# Altium PCB DM2097_R0M0E0.PcbDoc (part 7 of 7)
Units mm, origin at the board's own origin, x right, y up, seen from the top; angles counter-clockwise.
Board outline 115 x 46 mm, 6 copper layers (Top Copper, GND 1, PWR, Signal Layer 1, GND 2, Bottom Copper), stack 1.599 mm thick; 406 components, 356 nets, 1579 pads, 920 vias.
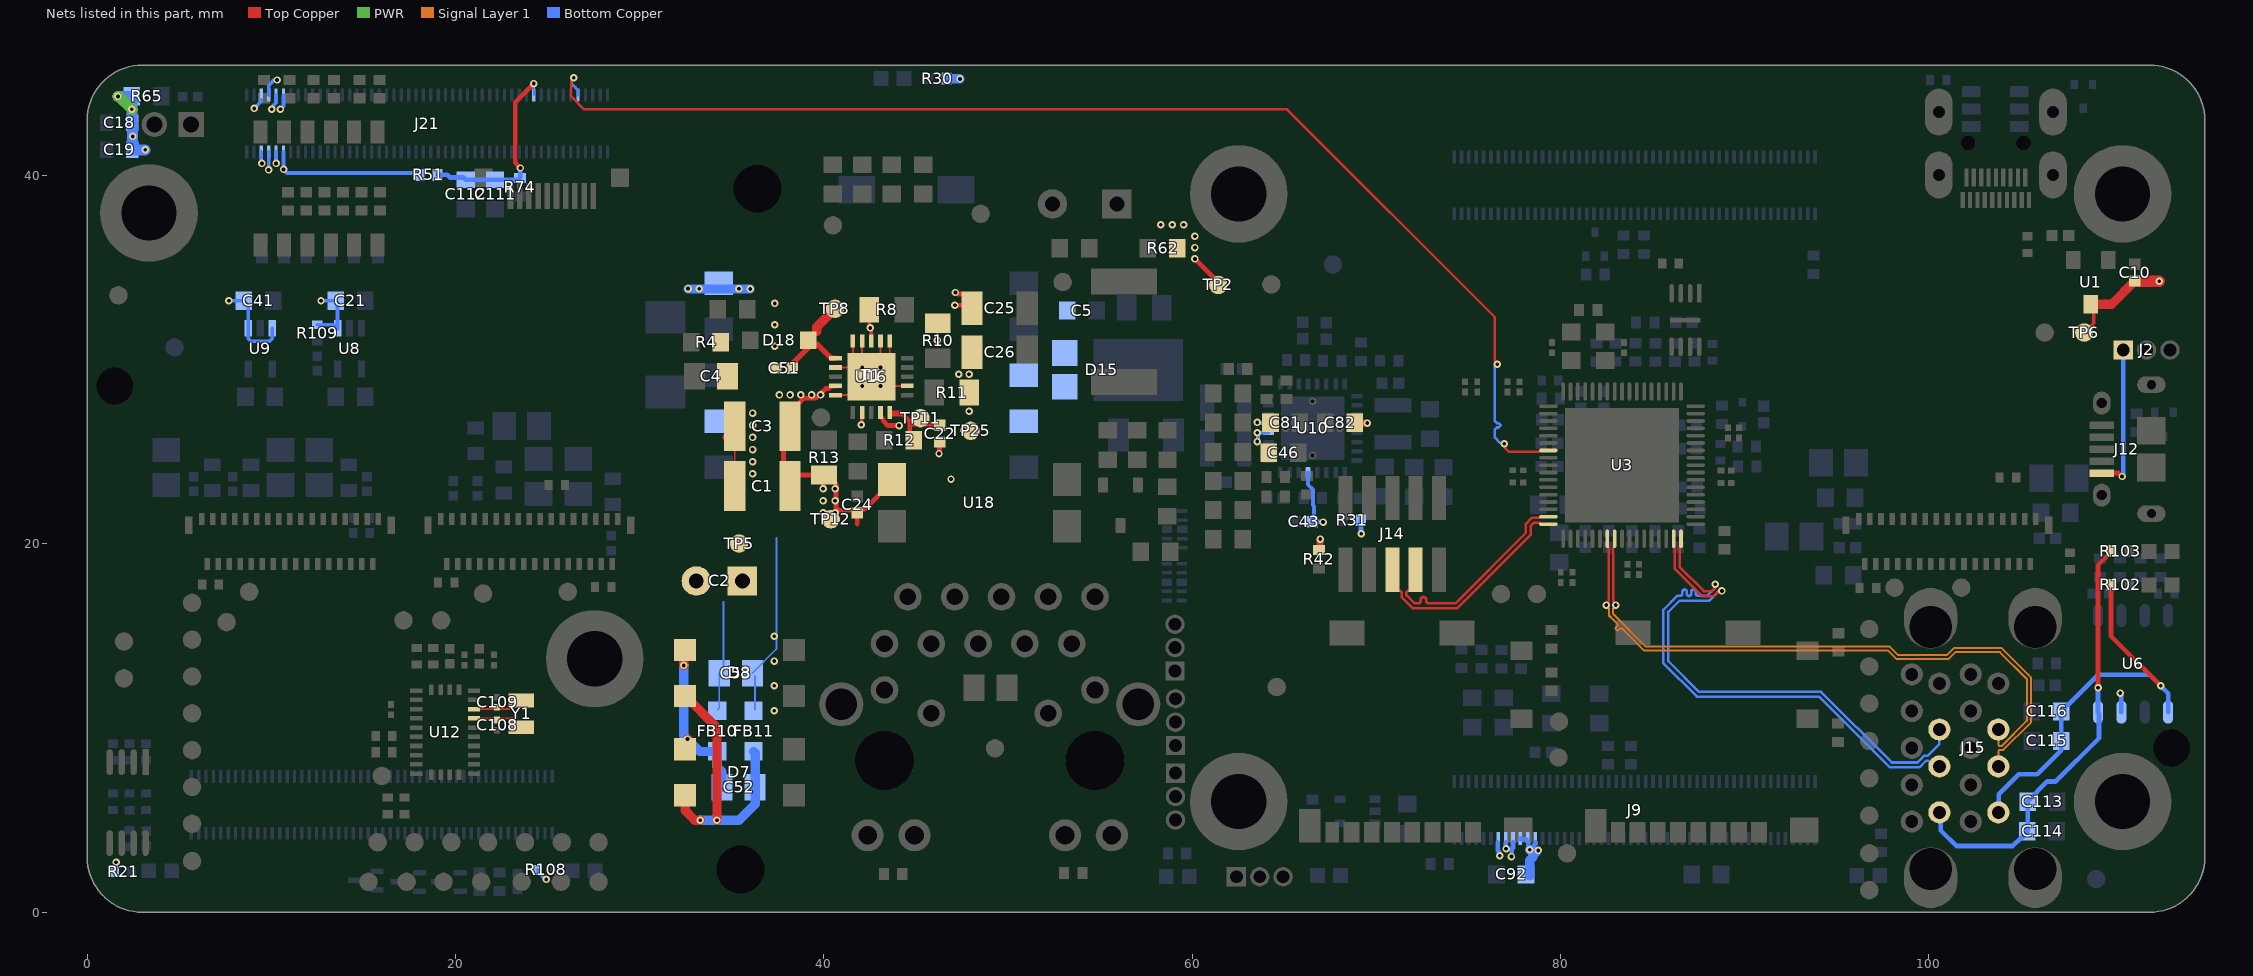
[diagram p11: the nets of this part, all layers, seen from the top]

## Via types
v1: diameter 0.406, hole 0.203, Top Copper to Bottom Copper, tented both sides, 871 vias
v2: diameter 0.5, hole 0.2, Top Copper to Bottom Copper, 25 vias
v3: diameter 0.508, hole 0.254, Top Copper to Bottom Copper, 24 vias

## Nets (pads, with @x,y where several pads share a name; then routed paths per layer and width w, separated by ;. In a path a pad name is that pad's centre, name@x,y a point inside that pad or via, vN(x,y) a via of type N, cw(c..) or ccw(c..) an arc to the next point about the centre after c; other vN are vias at no path point) (continued)
USBD1_P: J21.92 U3.58 | length 67.2
  Top Copper w0.139: 26.295,45.124 26.295,44.293 26.988,43.6 65.156,43.6 76.446,32.31 76.446,29.957 76.57,29.832 v1(76.57,29.76) ; 77.001,25.212 77.208,25.006 78.863,25.006 78.934,25.076 U3.58@79.351,25.076
  Bottom Copper w0.139: v1(26.419,45.321) 26.419,45.249 26.295,45.124 26.295,44.981 26.376,44.9 26.41,44.9 26.521,44.789 26.521,44.767 26.66,44.628 J21.92@26.66,44.368 ; v1(76.57,29.76) 76.446,29.635 76.446,26.975 76.446,26.673 76.555,26.564 76.642,26.564 76.751,26.455 76.751,26.43 76.642,26.321 76.555,26.321 76.446,26.212 76.446,25.9 76.446,25.768 76.722,25.491 76.899,25.491 v1(76.95,25.44)
USBD2_N: J14.5 U3.68 | length 12.2
  Top Copper w0.139: J14.5@70.875,18.592 70.875,17.772 71.186,17.462 71.296,17.462 71.377,17.38 71.377,17.11 71.978,16.509 74.405,16.509 78.391,20.495 78.391,20.982 78.551,21.143 78.867,21.143 78.934,21.076 U3.68@79.351,21.076
USBD2_P: J14.7 U3.67 | length 12.2
  Top Copper w0.139: J14.7@72.145,18.592 72.145,17.772 71.835,17.462 71.724,17.462 71.643,17.38 71.643,17.22 72.005,16.859 72.088,16.775 72.276,16.775 ccw(c72.276,16.921) 72.422,16.921 72.422,16.974 cw(c72.568,16.974) 72.714,16.974 72.714,16.921 ccw(c72.86,16.921) 72.86,16.775 73.221,16.775 74.295,16.775 78.125,20.605 78.125,21.092 78.441,21.409 78.867,21.409 78.934,21.476 U3.67@79.351,21.476
USBD3_N: J15.2 U3.8 | length 34.3
  Top Copper w0.139: U3.8@82.951,20.276 82.951,19.86 82.883,19.792 82.883,16.872 83.005,16.751 v1(83.005,16.678)
  Signal Layer 1 w0.11: v1(83.005,16.678) 83.005,16.613 82.858,16.466 82.858,16.203 84.639,14.422 97.886,14.422 98.333,13.975 101.002,13.975 101.367,14.341 103.96,14.341 105.55,12.751 105.55,10.3 104.062,8.812 103.849,8.812 103.785,8.748 J15.2@103.785,7.919
USBD3_P: J15.3 U3.7 | length 34.3
  Top Copper w0.139: v1(82.497,16.678) 82.497,16.751 82.618,16.872 82.618,19.792 82.551,19.86 U3.7@82.551,20.276
  Signal Layer 1 w0.11: v1(82.497,16.678) 82.497,16.613 82.644,16.466 82.644,16.115 82.865,15.893 82.904,15.855 83.074,15.685 cw(c82.996,15.607) 83.074,15.529 83.035,15.491 ccw(c83.11,15.416) 83.035,15.341 ccw(c83.11,15.416) 83.185,15.341 83.224,15.379 cw(c83.301,15.301) 83.379,15.379 83.418,15.34 84.55,14.208 97.797,14.208 98.244,13.761 101.09,13.761 101.456,14.127 103.872,14.127 105.336,12.663 105.336,10.388 103.974,9.026 103.849,9.026 103.785,9.091 J15.3@103.785,9.919
USBD4_N: J15.11 U3.17 | length 29.3
  Top Copper w0.139: U3.17@86.551,20.276 86.551,19.858 86.481,19.789 86.481,18.751 87.8,17.433 88.209,17.433 88.363,17.586 88.363,17.758 v1(88.414,17.809)
  Bottom Copper w0.139: v1(88.414,17.809) 88.363,17.758 88.363,17.586 87.951,17.174 87.793,17.174 87.489,17.174 cw(c87.489,17.313) 87.35,17.313 87.35,17.399 ccw(c87.23,17.399) 87.23,17.52 ccw(c87.23,17.399) 87.109,17.399 87.109,17.288 cw(c86.989,17.288) 86.989,17.167 cw(c86.989,17.288) 86.869,17.288 86.869,17.404 ccw(c86.748,17.404) 86.748,17.525 ccw(c86.748,17.404) 86.628,17.404 86.628,17.313 cw(c86.49,17.313) 86.49,17.174 86.42,17.174 86.346,17.174 85.598,16.426 85.598,13.518 87.412,11.704 94.056,11.704 97.896,7.864 99.495,7.864 99.858,8.227 99.99,8.227 100.298,7.919 J15.11@100.585,7.919
USBD4_P: J15.12 U3.16 | length 29.2
  Top Copper w0.139: U3.16@86.151,20.276 86.151,19.858 86.22,19.789 86.22,18.863 86.218,18.86 86.218,18.642 86.22,18.64 86.22,18.636 87.69,17.167 88.319,17.167 88.55,17.399 88.722,17.399 v1(88.773,17.45)
  Bottom Copper w0.139: v1(88.773,17.45) 88.722,17.399 88.55,17.399 88.061,16.909 86.456,16.909 85.864,16.316 85.864,13.628 87.522,11.969 94.166,11.969 98.006,8.13 99.385,8.13 99.748,8.492 99.944,8.492 100.585,9.133 J15.12@100.585,9.919
VBUS: C111.2 C112.2 J21.80 R51.1 R74.2 | length 10.9
  Top Copper w0.254: v1(23.531,40.413) 23.25,40.694 23.25,43.986 v1(24.26,44.996)
  Bottom Copper w0.102: J21.80@24.26,44.368 v1(24.26,44.996)
  Bottom Copper w0.254: R51.1@19.034,40.04 19.56,40.04 19.7,39.9 20.425,39.9 C112.2@20.55,39.775 C111.2@22.15,39.775 23.4,39.775 23.515,39.89 23.515,40.398 v1(23.531,40.413)
VBUS_USB3: C115.1 C116.1 J15.1 R102.2 U6.5 | length 22.2
  Top Copper w0.254: R102.2@109.903,17.777 109.903,14.997 v1(112.6,12.3)
  Bottom Copper w0.254: J15.1@103.785,5.419 103.8,5.435 103.8,6.4 104.9,7.5 105.9,7.5 107.2,8.8 C115.1@107.2,9.3 C116.1@107.2,10.9 107.2,10.95 107.523,11.273 107.573,11.273 109.2,12.9 112,12.9 v1(112.6,12.3) 112.6,12.283 113.005,11.878 U6.5@113.005,10.862
VBUS_USB4: C113.1 C114.1 J15.10 R103.2 U6.8 | length 23.8
  Top Copper w0.254: 109.195,18.849 109.195,12.196 v1(109.2,12.19) ; 109.196,18.849 109.903,19.555 R103.2@109.903,19.605
  Bottom Copper w0.254: J15.10@100.585,5.419 100.662,5.342 100.662,4.438 101.5,3.6 104.567,3.6 104.989,4.022 105.039,4.022 105.362,4.345 C114.1@105.362,4.395 105.376,4.409 C113.1@105.376,5.988 105.376,6.038 106.438,7.1 106.9,7.1 109.25,9.45 109.25,10.807 U6.8@109.195,10.862 109.195,12.185 v1(109.2,12.19)
VBUSB: J2.1 J12.1 | length 8.1
  Top Copper w0.254: J12.1@109.398,23.847 110.318,23.847 v1(110.504,23.661)
  Bottom Copper w0.254: v1(110.504,23.661) 110.504,23.702 110.566,23.764 J2.1@110.566,30.531
VDD: C22.2 R12.2 TP11.1 U16.5 | length 5.2
  Top Copper w0.102: U16.5@43.585,27.129 43.585,27.052 43.659,26.977 44.257,26.977 44.465,26.77
  Top Copper w0.254: U16.5@43.585,27.129 44.212,27.129 44.672,26.669 ; R12.2@44.888,25.632 44.672,25.848 44.672,26.669 ; C22.2@46.289,26.436 46.212,26.513 44.827,26.513 44.672,26.669
VDD_5V: C10.2 C18.2 C19.2 C21.2 C41.2 C43.1 C46.1 C81.1 C82.1 C92.1 J9.77 J9.79 J9.81 J9.83 J9.85 J9.87 J21.5 J21.6 J21.7 J21.8 J21.9 J21.10 J21.11 J21.12 R21.2 R30.2 R31.2 R42.2 R51.2 R62.2 R65.2 R108.2 R109.2 TP2.1 TP6.1 U1.3 U6.7 U8.1 U9.1 U9.3 U10.5 U10.12 U10.13 U10.28 | length 51.8
  Top Copper w0.2: TP6.1@108.45,31.475 108.964,31.989 108.964,33.018 U1.3@108.964,33.026
  Top Copper w0.254: v1(60.155,35.477) 61.568,34.063 TP2.1@61.424,34.063
  Top Copper w0.381: R42.2@66.884,19.663 66.958,19.738 66.958,20.258 v1(66.963,20.263) ; C82.1@68.825,26.58 68.839,26.566 69.508,26.566 v1(69.513,26.561)
  Top Copper w0.5: U1.3@108.964,33.018 109.937,33.018 C10.2@111.195,34.276
  Top Copper w0.6: C10.2@111.195,34.25 111.207,34.263 v1(112.522,34.263)
  PWR w0.6: v1(1.675,44.3) 1.729,44.3 v1(2.425,43.604)
  Bottom Copper w0.2: R21.2@1.5,2.2 1.537,2.237 1.537,2.677 v1(1.573,2.714) ; v1(7.7,33.2) C41.2@8.5,33.2 8.75,32.95 U9.1@8.75,31.7 8.75,31.15 8.9,31 9.9,31 10.05,31.15 U9.3@10.05,31.7 ; v1(9.075,43.65) 9.46,44.035 J21.6@9.46,44.118 ; J21.5@9.46,41.288 9.46,40.692 v1(9.492,40.66) ; v1(9.854,40.307) 9.86,40.313 J21.7@9.86,41.288 ; J21.8@9.86,44.368 9.86,44.897 10.155,45.192 v1(10.316,45.192) ; v1(10.025,43.6) 10.025,43.656 10.118,43.749 10.118,43.818 10.26,43.96 J21.10@10.26,44.368 ; v1(10.26,40.66) J21.9@10.26,41.288 ; v1(10.5,43.6) 10.66,43.76 J21.12@10.66,44.368 ; v1@10.643,40.359 v1@10.66,40.342 ; J21.11@10.66,41.288 v1@10.66,40.342 ; R109.2@12.5,31.9 13.4,31.9 U8.1@13.6,31.7 13.6,33.1 C21.2@13.5,33.2 v1(12.7,33.2) ; R51.2@18.034,40.04 R51.2@17.929,40.145 ; R51.2@18.06,40.145 R51.2@17.929,40.145 ; R108.2@24.45,2.3 24.575,2.175 24.575,2.101 24.893,1.782 v1(24.931,1.782) ; v1(63.542,25.559) 63.581,25.599 63.581,25.873 v1@63.627,25.918 ; v1@63.576,26.594 63.632,26.594 63.672,26.554 64.122,26.554 U10.13@64.147,26.529 ; v1@63.612,26.038 63.617,26.033 64.142,26.033 U10.12@64.147,26.029 ; U10.5@66.297,23.879 66.297,23.216 66.565,22.948 66.565,22.101 66.619,22.046 66.619,21.252 66.566,21.199 C43.1@66.549,21.182 ; v1@10.66,40.342 v1(10.667,40.335) 10.857,40.145 R51.2@17.929,40.145
  Bottom Copper w0.254: C43.1@66.523,21.209 66.533,21.199 66.566,21.199 67.102,21.199 v1(67.112,21.189) ; U10.28@68.947,26.529 68.949,26.531 69.491,26.531 69.521,26.561 v1@69.562,26.561 ; R31.2@69.162,21.335 69.178,21.319 69.178,20.564 v1(69.194,20.548) ; J9.87@76.604,3.786 76.604,3.35 76.678,3.276 76.678,3.091 v1(76.707,3.062) ; J9.85@77.031,3.786 77.031,3.469 v1(77.05,3.45) ; v1(77.344,3.022) 77.365,3.043 77.365,3.431 77.425,3.491 J9.83@77.425,3.786 ; J9.81@77.831,4.009 77.831,3.982 77.858,3.955 78.113,3.955 78.261,3.806 78.261,3.57 78.305,3.527 78.305,3.419 v1(78.334,3.39) 78.654,3.711 J9.77@78.654,3.786 ; v1(110.4,11.9) 110.4,11.859 110.465,11.794 U6.7@110.465,10.862
  Bottom Copper w0.5: R30.2@46.766,45.265 47.385,45.265 v1(47.4,45.25) ; v1(78.334,3.39) 78.514,3.21 78.514,3.001 78.335,2.822 C92.1@78.335,1.964 ; 78.64,3.223 v1@78.7,3.283
  Bottom Copper w0.6: v1(1.675,44.3) R65.2@2.425,44.3 v1(2.425,43.604) 2.425,42.875 2.475,42.825 v1(2.475,42.125) 2.475,41.65 2.425,41.6 C19.2@2.45,41.575 ; C19.2@2.45,41.4 v1(3.15,41.4)
  other v1: 78.796,3.353 63.542,26.038 63.542,26.594 60.155,36.093 60.155,36.71 58.308,37.327 58.922,37.327 59.538,37.327
VNEG: C53.1 FB11.2 R10.1 TP25.1 U16.7 U16.11 U16.12 U16.14 U16.15 U16.17 U16.20 U16.21 | length 24.5
  Top Copper w0.102: U16.20@40.635,28.079 41.585,28.079 v1(42.085,28.579) ; U16.17@40.635,29.579 v1(42.085,29.579) ; U16.15@41.585,31.029 41.585,30.079 v1(42.085,29.579) ; U16.14@42.085,31.029 v1(42.085,29.579) ; U16.12@43.085,31.029 v1(43.085,29.579) ; U16.11@43.585,31.029 43.585,30.079 v1(43.085,29.579) ; U16.7@44.535,28.579 v1(43.085,28.579) U16.21@42.585,29.079 ; R10.1@46.013,31.975 R10.1@46.188,31.975 46.188,31.064 v1(46.177,31.064) ; TP25.1@47.955,26.021 47.756,26.021 v1(47.593,26.185) 47.93,26.185 TP25.1@47.974,26.14 ; v1(42.085,29.579) U16.21@42.585,29.079 ; U16.21@42.585,29.079 v1(43.085,29.579)
  Bottom Copper w0.102: C53.1@36.123,12.983 37.433,14.293 37.433,14.986 37.433,20.324 ; FB11.2@36.265,11.018 C53.1@36.265,12.842
  other v1: 37.319,10.947 37.319,12.294 37.319,13.64 37.319,14.986 46.911,23.52 37.335,30.734 37.335,31.897 37.335,33.061
VNEG_IN: C52.1 D7.4 D8.4 FB11.1 | length 15.2
  Top Copper w0.5: D8.4@32.476,11.75 34.2,10.026 v1(34.2,5) ; D7.4@32.48,5.99 32.48,5.52 33,5 v1(33.3,5)
  Bottom Copper w0.5: v1(33.3,5) v1(34.2,5) 35.4,5 36.276,5.876 C52.1@36.276,6.786 36.276,8.646 FB11.1@36.188,8.734
VPOS: C1.2 C2.1 C3.2 C4.2 C26.1 C53.2 FB10.2 R4.2 R8.1 R11.2 T1.4 TP5.1 U16.2 U16.13 | length 12.9
  Top Copper w0.102: R4.2@34.41,30.941 R4.2@34.713,31.244 ; C1.2@35.171,23.143 C3.2@35.171,25.382 ; C1.2@35.498,21.853 C1.2@35.498,22.592
  Top Copper w0.2: v1(42.042,26.464) 42.064,26.486 42.064,27.107 U16.2@42.085,27.129 ; R8.1@42.463,32.717 42.463,31.776 42.585,31.654 U16.13@42.585,31.029
  Top Copper w0.5: C3.2@34.759,25.792 35.086,25.792 35.171,25.707 C3.2@35.171,26.394
  Bottom Copper w0.102: FB10.2@34.258,11.018 34.323,11.083 C53.2@34.323,12.983 34.56,13.22 34.56,16.856
  other v1: 36.138,23.804 36.138,24.464 36.138,25.124 36.138,25.785 36.138,26.445 36.138,27.106 47.895,27.203 47.328,29.207 47.895,29.207 42.519,31.731
VPOS_IN: C52.2 D7.1 D8.1 FB10.1 | length 9.9
  Top Copper w0.5: v1(32.4,13.4) 32.4,14.174 D8.1@32.476,14.25 ; D7.1@32.48,8.49 32.6,8.61 v1(32.6,9.4)
  Bottom Copper w0.5: v1(32.4,13.4) 32.4,9.6 v1(32.6,9.4) 33.266,8.734 FB10.1@34.207,8.734 34.2,8.726 34.2,7.9 34.476,7.624 C52.2@34.476,6.786
VSEC: C5.2 D15.2 T1.7 T1.8
VSS: C1.1 C2.2 C3.1 C22.1 C24.1 C25.1 C51.1 R13.2 T1.1 TP12.1 U16.4 U16.19 U18.3 | length 24.1
  Top Copper w0.254: v1@39.828,28.18 39.567,27.918 38.92,27.918 37.82,26.818 37.82,23.74 R13.2@39.965,23.74 ; v1@39.85,28.18 40.108,28.438 40.261,28.438 40.402,28.579 U16.19@40.635,28.579 ; v1(39.965,22.99) 39.965,23.69 R13.2@40.015,23.74 40.19,23.74 40.665,23.266 40.665,22.99 40.665,22.343 40.665,21.983 40.813,21.835 41.819,21.835 41.879,21.895 42.226,21.895 43.698,23.367 U18.3@43.698,23.497 ; 41.82,21.086 C24.1@41.82,21.685 ; U16.4@43.081,27.122 U16.4@43.085,27.129 43.085,26.908 43.228,26.765 43.228,26.683 43.484,26.427 v1(44.088,26.427) ; v1@46.272,24.845 46.289,24.862 C22.1@46.289,25.536 ; v1(47.126,32.965) 47.877,32.965 C25.1@48.047,32.795 48.047,33.12 47.599,33.568 47.277,33.568 47.193,33.652 v1(47.152,33.652)
  Bottom Copper w0.5: v1@32.631,33.849 v1@35.998,33.849
  other v1: 39.965,21.697 40.612,21.697 39.965,22.343 40.612,22.343 40.612,22.99 46.259,24.909 37.592,28.092 38.174,28.092 38.755,28.092 39.337,28.092 39.828,28.092 33.239,33.858 35.398,33.858 36.006,33.849 32.631,33.867
VT15V: C51.2 D18.1 TP8.1 U16.16 | length 5
  Top Copper w0.3: C51.2@38.289,29.54 38.289,29.781 39.355,30.847 39.642,30.847 40.41,30.079 U16.16@40.635,30.079
  Top Copper w0.5: 39.617,31.539 39.617,31.779 TP8.1@40.608,32.77
XIN: C109.2 U12.27 Y1.1 | length 2.8
  Top Copper w0.102: U12.27@21.008,11.028 23.098,11.028 Y1.1@23.575,11.505
XOUT: C108.2 U12.26 Y1.2 | length 3.3
  Top Copper w0.102: U12.26@21.008,10.528 23.092,10.528 Y1.2@23.575,10.045 ; C108.2@22.259,10.485 22.308,10.437 C108.2@22.308,10.417 ; Y1.2@23.657,10.127 23.735,10.05 Y1.2@24.06,10.05
pads on no net: FID1.1 FID2.1 FID3.1 FID4.1 FID5.1 FID6.1 J1.4 J1.6 J1.10 J1.12 J1.16 J1.18 J1.22 J1.24 J1.43 J1.45 J1.46 J1.47 J1.48 J1.49 J1.51 J1.52 J1.53 J1.54 J1.55 J1.56 J1.57 J1.58 J4. J5.0 J7.0 J7.13 J7.14 J7.16 J7.17 J8.0 J8.13 J8.14 J8.16 J8.17 J9.64 J9.68 J9.70 J9.72 J9.94 J9.96 J9.100 J10.2 J10.MH1 J10.MH2 J12.4 J13.4 J13.6 J13.28 J13.30 J13.33 J13.34 J13.35 J13.36 J13.39 J13.40 J13.41 J13.42 J13.43 J13.45 J13.46 J13.47 J13.48 J13.49 J13.52 J13.54 J13.57 J13.58 J13.59 J13.60 J13.63 J13.64 J13.65 J13.66 J13.69 J13.71 J13.93 J13.94 J13.95 J13.96 J21.17 J21.19 J21.21 J21.23 J21.25 J21.27 J21.31 J21.33 J21.34 J21.35 J21.36 J21.37 J21.39 J21.41 J21.43 J21.45 J21.47 J21.48 J21.49 J21.50 J21.51 J21.53 J21.54 J21.55 J21.56 J21.57 J21.58 J21.59 J21.60 J21.62 J21.63 J21.64 J21.65 J21.66 J21.68 J21.69 J21.70 J21.71 J21.72 J21.74 J21.75 J21.76 J21.77 J21.81 J21.83 J22.11 J22.12 J27.3 T1.5 T1.6 U2.1@105.046,45.202 U3.26 U3.42 U3.44 U8.4 U9.4 U11.1 U12.1 U12.7 U12.8 U12.12 U12.13 U12.21 U12.22 U12.23 U12.24
copper on no net: | length 12.9
  GND 1 w0.102: 81.11,27.14 81.11,29.13 80.72,29.52 80.22,29.52 79.54,30.2 79.54,32.17 79.94,32.57 82.62,32.57 83.11,32.08 83.11,31.193 83.532,30.771 83.532,29.912 83.083,29.463

## Polygon pours and split planes (outlines as drawn)
GND on Top Copper "GND_L01_P063" (solid, remove dead copper, pour order 63): 0.029,2.971 ccw(c3.029,2.971) 3.029,-0.029 112.029,-0.029 ccw(c112.029,2.971) 115.029,2.971 115.029,42.971 ccw(c112.029,42.971) 112.029,45.971 3.029,45.971 ccw(c3.029,42.971) 0.029,42.971
USB_GND on Top Copper "¸" (solid, remove dead copper, pour order 4): 98.75,17.75 97.5,16.5 97.5,1.5 98.75,0.25 114.75,0.25 114.75,17.75
VPOS on Top Copper "VPOS_L01_P030" (solid, pour order 30): 47.117,27.52 47.592,27.045 47.921,27.045 48.285,27.409 48.285,30.696 47.674,31.308 47.117,30.751
NetC4_1 on Top Copper "NETC4_1_L01_P014" (solid, remove dead copper, pour order 14): 32.81,31.441 32.81,29.116 31.615,27.92 30.55,28.985 30.55,31.22 30.77,31.441
VSS on Top Copper "VSS_L01_P017" (solid, remove dead copper, pour order 17): 43.27,24.387 43.27,22.782 42.208,21.721 42.208,20.933 42.056,20.781 38.608,20.781 37.596,21.793 37.596,27.744 38.1,28.249 39.924,28.249 40.176,27.997 40.176,24.997 40.787,24.387
1V05 on Top Copper "1V05_L01_P055" (solid, remove dead copper, pour order 55): 61.595,25.494 61.595,19.744 60.698,19.744 59.967,20.474 59.967,24.766 60.695,25.494
1V8 on Top Copper "1V8_L01_P054" (solid, remove dead copper, pour order 54): 61.145,28.669 61.145,26.094 60.266,26.094 59.969,26.391 59.969,28.27 60.368,28.669
VSS on Top Copper "VSS_L01_P031" (solid, pour order 31): 36.987,29.759 36.987,28.353 37.596,27.744 38.746,27.744 38.746,27.777 37.839,28.684 37.839,29.71 37.699,29.85 37.079,29.85
5V_PoE on Top Copper "5V_POE_L01_P021" (solid, pour order 21): 58.05,34 58.05,38.155 56.974,39.231 55.146,39.231 54.654,38.739 54.654,34.802 54.832,34.624
SWO on Top Copper "SWO_L01_P011" (solid, remove dead copper, pour order 11): 40.652,29.083 40.064,29.671 39.313,29.671 39.16,29.519 39.16,28.807 39.287,28.68 40.249,28.68
NetC48_2 on Top Copper "NETC48_2_L01_P028" (solid, pour order 28): 54.525,29.495 54.525,27.362 54.781,27.106 59.15,27.106 59.328,27.283 59.328,28.528 58.361,29.495
VPOS on Top Copper "VPOS_L01_P012" (solid, remove dead copper, pour order 12): 34.537,30.941 36.384,29.094 36.384,17.987 34.842,17.987 33.973,18.856 33.973,30.504 34.41,30.941
VT15V on Top Copper "VT15V_L01_P016" (solid, remove dead copper, pour order 16): 40.887,30.839 40.985,30.742 40.985,29.954 40.214,29.954 39.321,30.847 38.711,30.847 38.711,31.797 40.438,31.797 40.887,31.347
GND on Bottom Copper "GND_L06_P056" (solid, remove dead copper, pour order 56): 0,3 ccw(c3,3) 3,0 112,0 ccw(c112,3) 115,3 115,43 ccw(c112,43) 112,46 3,46 ccw(c3,43) 0,43
VNEG on Bottom Copper "VNEG_L06_P007" (solid, remove dead copper, pour order 7): 34.716,10.089 38.806,10.089 38.855,10.138 38.855,20.451 42.386,20.451 42.386,22.454 47.923,22.454 47.923,34.751 47.517,35.157 36.932,35.157 36.932,17.003 34.716,14.788
LX2 on Bottom Copper "LX2_L06_P037" (solid, remove dead copper, pour order 37): 63.231,26.204 62.831,26.204 62.831,24.204 63.715,24.204 64.473,24.961
1V8 on Bottom Copper "1V8_L06_P034" (solid, pour order 34): 60.628,28.965 60.385,28.965 60.02,28.6 60.02,26.656 60.182,26.493 61.057,26.493 61.231,26.667 61.231,28.95 61.215,28.966
LX3 on Bottom Copper "LX3_L06_P045" (solid, remove dead copper, pour order 45): 63.267,28.667 62.831,28.668 62.831,26.667 63.679,26.667 64.473,27.461
1V05 on Bottom Copper "1V05_L06_P036" (solid, pour order 36): 60.67,25.755 59.89,24.975 59.89,23.03 60.052,22.868 60.927,22.868 61.101,23.042 61.101,25.324
SWO on Bottom Copper "SWO_L06_P005" (solid, remove dead copper, pour order 5): 40.278,29.519 40.278,28.604 40.176,28.503 30.829,28.503 30.397,28.934 31.439,29.976 39.821,29.976
3V3 on Bottom Copper "3V3_L06_P032" (solid, remove dead copper, pour order 32): 70.028,25.883 70.028,24.536 70.536,24.028 73.812,24.028 74.066,24.282 74.066,24.994 73.177,25.883
NetC48_2 on Bottom Copper "NETC48_2_L06_P010" (solid, remove dead copper, pour order 10): 57.423,27.156 58.134,26.445 58.134,25.302 58.424,25.012 59.574,25.012 59.574,31.025 59.47,31.129 54.646,31.129 54.646,27.156
NetC4_1 on Bottom Copper "NETC4_1_L06_P020" (solid, pour order 20): 30.334,32.726 30.334,31.36 31.244,30.45 31.949,30.45 32.493,30.993 32.493,32.52
VPOS on Bottom Copper "VPOS_L06_P003" (solid, remove dead copper, pour order 3): 33.304,27.686 33.304,25.638 34.969,25.632 35.426,25.175 35.426,23.689 35.642,23.473 36.507,23.473 36.633,23.599 36.633,27.324 36.271,27.686
VSEC on Bottom Copper "VSEC_L06_P008" (solid, pour order 8): 53.791,33.175 53.791,27.639 52.176,26.024 50.084,26.024 50.084,29.794 51.15,30.86 52.804,30.86 52.804,33.175
VPOS on Bottom Copper "VPOS_L06_P006" (solid, remove dead copper, pour order 6): 34.969,19.562 34.41,19.003 34.41,17.2 32.633,15.422 32.633,10.089 35.096,10.089 35.096,15.066 36.544,16.514 36.544,19.562
GND on PWR "GND_L03_P059" (solid, remove dead copper, pour order 59): 0,3 ccw(c3,3) 3,0 112,0 ccw(c112,3) 115,3 115,43 ccw(c112,43) 112,46 3,46 ccw(c3,43) 0,43
VDD_5V on PWR "VDD_5V_L03_P040" (solid, remove dead copper, pour order 40): 71.41,26.706 83.033,38.329 83.033,45.247 2.622,45.247 0.802,43.427 0.802,3.421 3.723,0.5 27.778,0.5 27.777,2.045 6.93,2.045 3,5.975 3,26.575 8.175,31.75 12.515,31.715 21.2,40.4 49.414,40.4 60.6,29.214 60.6,18.498 59.436,17.334 59.436,12.522 71.238,0.721 112.963,0.721 114.021,1.778 114.021,34.087 111.811,36.297 108.28,36.297 107.34,35.357 107.34,21.031 104.242,17.932 72.542,17.932 71.41,19.065
3V3 on PWR "3V3_L03_P039" (solid, pour order 39): 70.002,25.171 70.002,16.896 73.457,13.442 78.835,13.442 78.835,17.932 96.622,17.932 96.622,31.546 90.424,37.744 82.575,37.744
1V8 on PWR "¸" (solid, remove dead copper, pour order 26): 59.9,29.875 56.5,29.875 56.2,29.575 56.2,22.2 57.175,21.225 60.5,21.225 60.5,29.275
VPOS on PWR "VPOS_L03_P050" (solid, pour order 50): 38.938,16.027 38.938,19.888 49.047,19.888 49.047,34.646 30.251,34.646 30.251,28.372 32.207,28.372 32.207,16.027
GND on GND 1 "GND_L02_P064" (solid, remove dead copper, pour order 64): 0,3 ccw(c3,3) 3,0 112,0 ccw(c112,3) 115,3 115,43 ccw(c112,43) 112,46 3,46 ccw(c3,43) 0,43
USB_GND on GND 1 "¸" (solid, remove dead copper, pour order 24): 98.75,17.75 97.5,16.5 97.5,1.5 98.75,0.25 114.75,0.25 114.75,17.75
VNEG on GND 1 "VNEG_L02_P062" (solid, remove dead copper, pour order 62): 38.887,10.084 38.887,20.091 49.073,20.091 49.073,34.569 30.251,34.569 30.251,28.321 32.487,28.321 32.487,10.084
3V3 on GND 1 "3V3_L02" (solid, pour order 49): 60.85,1.85 64.325,1.85 65.85,3.375 65.85,3.925 67.35,5.425 70.15,5.425 71.425,4.15 71.425,2.7 72,2.125 72.625,2.125 72.95,2.45 72.95,5.7 75.525,8.275 81.45,8.275 82.325,7.4 82.325,1.8 83.427,0.698 97.298,0.698 98.175,1.575 98.175,3.725 97.7,4.2 97.114,4.2 96.863,3.948 96.863,2.167 95.978,1.282 89.377,1.282 88.522,2.137 88.522,3.232 88.23,3.525 87.743,3.525 86.668,2.45 85.068,2.45 83.875,3.643 83.875,11.35 79.375,15.85 71.425,15.85 65.45,9.875 60.5,4.925 60.5,2.2
GND on Signal Layer 1 "GND_L04_P061" (solid, remove dead copper, pour order 61): 0,3 ccw(c3,3) 3,0 112,0 ccw(c112,3) 115,3 115,43 ccw(c112,43) 112,46 3,46 ccw(c3,43) 0,43
1V8 on Signal Layer 1 "¸" (solid, remove dead copper, pour order 51): 105.207,26.248 106.977,26.248 107.975,25.25 107.975,19.975 106.5,18.5 94.014,18.5 90.184,22.33 90.184,26.842 88.148,28.878 86.422,28.878 85.908,29.392 78.592,29.392 73.425,24.225 64.064,24.225 62.764,25.525 54.962,25.525 52.716,27.771 52.716,34.199 50.128,36.787 29.218,36.787 28.2,35.769 28.2,27.65 30.3,25.55 30.3,2.35 29.325,1.375 3.925,1.375 2.7,2.6 2.7,5.275 3.9,6.416 13.097,6.416 13.097,12.015 15.357,14.275 20.175,14.275 21.534,12.916 21.534,12.459 19.6,10.525 19.6,7.625 22.375,4.85 26.4,4.85 26.825,5.275 26.825,13.9 21.2,19.525 21.2,39.475 24.326,42.601 47.949,42.601 60.25,30.3 69.676,30.3 70.876,31.5 89.42,31.5 92.755,28.165 92.755,23.62 93.7,22.675 104.711,22.675 105.207,23.171 105.207,26.253
1V8 on Signal Layer 1 "¸" (solid, remove dead copper, pour order 60): 9.773,35.325 15,35.325 17.425,37.75 17.425,45.625 17.125,45.925 10.2,45.925 9.375,45.1 9.375,35.723
1V05 on Signal Layer 1 "1V05_L04_P042" (solid, remove dead copper, pour order 42): 63.249,25.05 60.206,25.05 60.185,22.84 61.57,21.455 77.3,21.455 80.01,18.745 87.351,18.745 88.9,20.295 88.9,27.89 87.731,29.059 78.385,29.059 74.379,25.053
VSS on Signal Layer 1 "VSS_L04_P038" (solid, pour order 38): 32.614,16.104 32.614,28.169 30.15,28.169 30.15,35.027 49.047,35.027 49.047,20.975 38.76,20.975 38.76,16.104
GND on GND 2 "GND_L05_P057" (solid, remove dead copper, pour order 57): 0,3 ccw(c3,3) 3,0 112,0 ccw(c112,3) 115,3 115,43 ccw(c112,43) 112,46 3,46 ccw(c3,43) 0,43
VSS on GND 2 "VSS_L05_P058" (solid, pour order 58): 32.18,16.79 39.54,16.79 39.54,19.82 49.23,19.82 49.23,34.735 30.065,34.735 30.065,28.05 32.18,28.05

## Keep-outs
Top Copper:
  region: 32.658,0.35 32.658,27.944 30.709,27.944 30.709,0.35
  region: 38.678,20.17 38.678,0.175 40.276,0.175 40.276,20.17
  rectangle: 38.678,19 50.285,20.17
  region: 30.931,27.08 30.931,35.585 29.515,35.585 29.515,27.08
  rectangle: 29.515,27.08 32.683,28.604
  region: 50.26,35.585 29.532,35.585 29.532,34.446 50.26,34.446
  region: 48.702,35.585 48.702,19.155 50.301,19.155 50.301,35.585
GND 1:
  rectangle: 38.678,19.201 50.285,20.799
  region: 38.678,20.17 38.678,0.195 40.276,0.195 40.276,20.17
  region: 48.702,35.585 48.702,19.155 50.301,19.155 50.301,35.585
  region: 50.26,35.585 28.949,35.585 28.949,34.446 50.26,34.446
  region: 30.473,27.08 30.473,35.585 28.949,35.585 28.949,27.08
  rectangle: 29.254,27.08 32.683,28.604
  region: 32.658,0.156 32.658,27.944 30.46,27.944 30.46,0.156
PWR:
  region: 50.301,34.036 48.685,35.651 47.555,34.521 49.17,32.906
  region: 48.702,34.036 48.702,19.155 50.301,19.155 50.301,34.036
  rectangle: 29.254,27.08 32.683,28.604
  region: 30.473,27.08 30.473,35.585 28.949,35.585 28.949,27.08
  rectangle: 38.678,19.201 50.285,20.799
  region: 38.678,20.17 38.678,0.2 40.276,0.2 40.276,20.17
  region: 32.658,0.156 32.658,27.944 30.575,27.944 30.575,0.156
  region: 48.685,35.651 28.949,35.651 28.949,34.446 48.685,34.446
Signal Layer 1:
  rectangle: 43.275,20.776 50.285,22.374
  region: 50.301,34.036 48.685,35.651 47.555,34.521 49.17,32.906
  region: 38.678,20.17 38.678,0.2 40.276,0.2 40.276,20.17
  rectangle: 38.678,19.201 45.025,20.799
  region: 48.702,34.036 48.702,20.725 50.301,20.725 50.301,34.036
  region: 48.685,35.651 28.949,35.651 28.949,34.446 48.685,34.446
  rectangle: 29.254,27.08 32.683,28.604
  region: 32.658,0.156 32.658,27.944 30.575,27.944 30.575,0.156
  region: 30.473,27.08 30.473,35.585 28.949,35.585 28.949,27.08
GND 2:
  rectangle: 43.35,20.476 50.31,22.074
  region: 30.563,32.891 32.13,34.458 30.901,35.687 29.334,34.12
  region: 50.26,35.687 30.901,35.687 30.901,34.446 50.26,34.446
  region: 30.473,27.08 30.473,34.12 29.334,34.12 29.334,27.08
  rectangle: 29.254,27.08 32.683,28.604
  region: 48.702,35.585 48.702,20.5 50.301,20.5 50.301,35.585
  rectangle: 38.678,19.201 45.15,20.799
  region: 38.678,20.17 38.678,0.194 40.951,0.194 40.951,20.17
  region: 32.658,0.156 32.658,27.944 30.575,27.944 30.575,0.156
Bottom Copper:
  region: 30.563,32.891 32.13,34.458 30.901,35.687 29.334,34.12
  region: 40.951,0.15 40.951,19.638 38.671,19.638 38.671,0.15
  region: 30.66,0.15 30.66,34.12 29.334,34.12 29.334,0.15
  rectangle: 30.901,34.874 48.965,35.687
  region: 42.183,22.762 42.183,19.039 43.224,19.039 43.224,22.762
  region: 43.224,20.578 38.671,20.578 38.671,19.039 43.224,19.039
  rectangle: 42.647,21.26 50.045,22.762
  region: 50.083,22.631 50.083,35.708 47.666,35.708 47.666,22.631
KeepOutLayer:
  circle w0.254: c36.412,39.288 r1.8
  circle w0.254: c35.48,2.33 r1.8

## Other copper
Top Copper:
  pour cut-out: 11.518,6.417 11.25,6.686 11.25,7.5 11.753,7.5 12.126,7.127 12.126,6.377
  pour cut-out: 13.025,15.55 9.05,11.575 9.05,10.425 9.5,9.975 10.05,9.975 10.05,10.953 13.4,14.303 13.4,15.2
  region net VDD_5V: 57.97,37.85 57.97,37.046 58.468,36.549 58.468,35.304 58.827,34.945 60.41,34.945 60.506,35.041 60.506,36.81 59.454,37.862
  region net VDD_5V: 63.754,27.084 63.351,26.682 63.351,24.841 63.754,24.438 64.204,24.438 64.204,27.084
  pour cut-out: 80.151,27.776 86.651,27.776 86.951,27.476 86.951,20.976 86.651,20.676 80.251,20.676 79.851,21.076 79.851,27.476
Bottom Copper:
  pour cut-out: 9.75,18.5 9.75,17.5 9.846,17.596 10.807,17.596 10.807,18.443 10.5,18.75
  pour cut-out: 63.523,25.432 63.523,25.229 64.71,25.229
  pour cut-out: 64.046,23.45 64.046,23.913 64.809,23.913 64.809,23.45 64.761,23.45
  pour cut-out: 69.443,27.296 69.237,27.09 69.237,26.645
  pour cut-out: 61.138,28.845 62.431,28.845 62.431,27.996
  pour cut-out: 61.101,24.183 61.296,23.987 61.851,23.987 62.329,24.465

## Silkscreen, mask and mechanical layers (free items; w line width, h text height)
Top Overlay:
  drawing of 31 lines, arcs and shapes, not listed
  text "5V" at 3.75,44.025 h1.5
  text "HDMI 0" at 108.305,42.513 h2
  text "+" at 3.05,41.8 h2 r270
  text "AUX_IO2" at 40.598,41.375 h1 r90
  text "FSIN3" at 42.3,41.35 h1 r90
  text "FSIN2" at 44.025,41.3 h1 r90
  text "FSIN1" at 45.725,41.25 h1 r90
  text "-" at 5.475,41.025 h2
  text "+" at 0.175,40.75 h2 r270
  text "-" at 7.075,39.875 h2
  text "'.project_title' '.Revision'" at 70.27,38.537 h1.5
  text "LUX-D-POE-CM4" at 65.508,35.892 h3
  text "RGB" at 22.725,35.725 h1.5
  text "LEFT" at 99.625,34.55 h1.5
  text "RIGHT" at 9.2,34.425 h1.5
  text "VT15V" at 38.704,33.574 h1
  text "5V" at 60.835,32.75 h1
  text "GND" at 63.495,32.75 h1
  text "USB_BOOT" at 114.727,32.014 h1.5 r90
  text "EN" at 111.265,31.925 h1 r90
  text "DIS" at 113.1,31.925 h1 r90
  text "GND" at 105.484,30.249 h1
  text "5V" at 108.015,30.259 h1
  text "ISNS" at 39.892,27.749 h1 r90
  text "VDD" at 46.599,26.746 h1
  text "e" at 89.228,26.203 h8
  text "VNEG" at 48.675,25.827 h1
  text "AUX USB" at 68.1,24.45 h1.5
  text "o" at 74.695,22.128 h15
  text "CM4_USB 2.0" at 108.35,20.725 h1.52 r90
  text "VSS" at 37.917,20.671 h1
  text "VPOS" at 31.951,19.766 h1
  text "STR1" at 102.475,17.387 h1
  text "PWD" at 93.725,17.35 h1
  text "STR2" at 9.925,16.987 h1
  text "PWD" at 22.275,16.95 h1
  text "STR3" at 26.65,16.562 h1
  text "GND" at 6.475,16.437 h1
  text "SDA0" at 75.025,15.987 h1
  text "SCL0" at 77.8,15.962 h1
  text "USB_PGOOD" at 114.685,15.823 h1 r90
  text "GND" at 1.1,15.6 h1
  text "WAKE" at 13.56,15.6 h1
  text "BOOT" at 20.235,15.589 h1
  text "EEPROM_WP" at 51.115,15.536 h1
  text "PWD" at 8.75,15.4 h1
  text "D0" at 6.478,14.44 h1
  text "IO10" at 95.777,14.017 h1
  text "D1" at 6.478,12.44 h1
  text "IO9" at 95.777,11.941 h1
  text "GND" at 1,11.3 h1
  text "D2" at 6.478,10.44 h1
  text "SYNC_OUT" at 60.431,10.032 h1
  text "IO11" at 95.777,9.876 h1
  text "+Z" at 24.846,9.75 h1.5
  text "3V3_SD" at 8.548,9.538 h1.5
  text "+Y" at 27.555,9.259 h1.5
  text "IO3" at 79.225,9.112 h1
  text "SYNC_IN" at 60.387,9.036 h1
  text "D3" at 6.478,8.44 h1
  text "IO6" at 95.777,7.855 h1
  text "RST" at 13.525,7.087 h1
  text "IO2" at 79.25,6.787 h1
  text "RST" at 56.07,6.592 h1
  text "CMD" at 6.478,6.44 h1
  text "IO7" at 95.777,5.815 h1
  text "+X" at 26.146,5.2 h1.5
  text "EN" at 56.22,5.118 h1
  text "CLK" at 6.478,4.44 h1
  text "IO8" at 95.777,3.758 h1
  text "SPI" at 12.075,3.243 h1.5
  text "IO2" at 15.204,2.587 h1
  text "IO3" at 17.175,2.562 h1
  text "CS0" at 18.975,2.562 h1
  text "IO0" at 21.125,2.562 h1
  text "CS1" at 23,2.562 h1
  text "SCK" at 24.925,2.562 h1
  text "IO1" at 27.275,2.562 h1
  text "CM4 QSPI" at 95.385,2.429 h1.5 r90
  text "CD" at 6.478,2.417 h1
  text "uSD card" at 68.371,2.21 h2
  text "uSD card" at 84.063,2.21 h2
  text "W" at 47.054,1.825 h6
  text "SD_PWR" at 78.593,1.793 h1
  text "AUX_IO" at 9.125,1.316 h1.5
  text "Only for CM4 Lite" at 68.453,0.943 h1
  text "Ext. mass storage" at 84.146,0.943 h1
  text "SD_PWR" at 92.363,0.928 h1
  text "GND" at 14.325,0.212 h1
  text "PG" at 16.7,0.212 h1
  text "RST" at 18.425,0.212 h1
  text "WUP" at 20.5,0.212 h1
  text "SCL" at 22.9,0.212 h1
  text "SDA" at 24.925,0.212 h1
  text "GND" at 27.125,0.212 h1
  text "DIS_BT" at 58.293,0.236 h1
Bottom Overlay:
  drawing of 21 lines, arcs and shapes, not listed
  text "5V_PWR" at 41.946,44.872 h1
  text "'.project_title' '.Revision'" at 49.5,43.3 h1.5
  text "+" at 3.05,41.8 h2 r270
  text "SoM RST" at 47.3,41.775 h1.52
  text "-" at 5.475,41.025 h2
  text "Pb" at 103.954,27.515 h5.5
  text "RoHS" at 103.735,24.611 h2
  text "Gigabit ETH" at 54.306,19.763 h2
  text "CM4 V_IO" at 83.734,14.833 h1.5
  text "1V8" at 80.217,12.652 h1
  text "3V3" at 82.846,12.652 h1
  text "SoM_PG" at 5.85,0.777 h1
  text "SoM_RST" at 28.725,0.777 h1
  text "CM4_PWR" at 69.64,0.577 h1
  text "CM4_ACT" at 98.55,0.577 h1
  text "ETH" at 60.05,0.45 h1
Board:
  the board outline again, w0.25
Bottom Assembly:
  lines w0.1: -54.561,28.778 -54.561,68.778
Bottom Courtyard:
  lines w0.1: 0.471,2.598 0.471,43.595 ; 2.466,45.643 ccw(c2.466,43.643) 0.466,43.643 cw(c2.466,43.643) 2.466,45.643 ; 2.466,45.643 28.461,45.643 ; 2.466,45.643 28.461,45.643 ; 28.461,45.643 cw(c28.461,43.643) 30.461,43.643 30.46,2.65 ; 30.46,2.65 cw(c28.46,2.65) 28.46,0.65 ccw(c28.46,2.65) 30.46,2.65 ; 0.458,2.646 ccw(c2.458,2.646) 2.458,0.646 cw(c2.458,2.646) 0.458,2.646 ; 2.458,0.643 28.46,0.643 2.458,0.643
DrillDrawing:
  drawing of 191 lines, arcs and shapes, not listed
  text "Routed Path Length" at -59.877,-101.281 h1.83
  text "Hole Length" at -31.438,-101.281 h1.83
  text "Hole Tolerance (-)" at 2.436,-101.281 h1.83
  text "Hole Tolerance (+)" at 36.31,-101.281 h1.83
  text "Description" at 57.995,-101.281 h1.83
  text "Template" at 93.544,-101.281 h1.83
  text "Pad Shape" at 112.488,-101.281 h1.83
  text "Via/Pad" at 127.47,-101.281 h1.83
  text "Drill Layer Pair" at 168.606,-101.281 h1.83
  text "Hole Type" at 187.244,-101.281 h1.83
  text "Plated" at 200.093,-101.281 h1.83
  text "Hole Size" at 229.803,-101.281 h1.83
  text "Count" at 246.308,-101.281 h1.83
  text "Symbol" at 259.157,-101.281 h1.83
  text "25,59mil (0,650mm)" at -59.877,-105.091 h1.52
  text "45,28mil (1,150mm)" at -31.438,-105.091 h1.52
  text "r155_90h50_115r100" at 93.544,-105.091 h1.52
  text "Rounded" at 112.488,-105.091 h1.52
  text "Pad" at 127.47,-105.091 h1.52
  text "Top Copper - Bottom Copper" at 168.606,-105.091 h1.52
  text "Slot" at 187.244,-105.091 h1.52
  text "PTH" at 200.093,-105.091 h1.52
  text "19,69mil (0,500mm)" at 229.803,-105.091 h1.52
  text "2" at 246.308,-105.091 h1.52
  text "11,81mil (0,300mm)" at -59.877,-108.901 h1.52
  text "33,47mil (0,850mm)" at -31.438,-108.901 h1.52
  text "r125_95h55_85r100" at 93.544,-108.901 h1.52
  text "Rounded" at 112.488,-108.901 h1.52
  text "Pad" at 127.47,-108.901 h1.52
  text "Top Copper - Bottom Copper" at 168.606,-108.901 h1.52
  text "Slot" at 187.244,-108.901 h1.52
  text "PTH" at 200.093,-108.901 h1.52
  text "21,65mil (0,550mm)" at 229.803,-108.901 h1.52
  text "2" at 246.308,-108.901 h1.52
  text "-" at -59.877,-112.711 h1.52
  text "-" at -31.438,-112.711 h1.52
  text "c81hn81" at 93.544,-112.711 h1.52
  text "Rounded" at 112.488,-112.711 h1.52
  text "Pad" at 127.47,-112.711 h1.52
  text "Top Copper - Bottom Copper" at 168.606,-112.711 h1.52
  text "Round" at 187.244,-112.711 h1.52
  text "NPTH" at 200.093,-112.711 h1.52
  text "31,89mil (0,810mm)" at 229.803,-112.711 h1.52
  text "2" at 246.308,-112.711 h1.52
  text "-" at -59.877,-116.521 h1.52
  text "-" at -31.438,-116.521 h1.52
  text "(Mixed)" at 93.544,-116.521 h1.52
  text "(Mixed)" at 112.488,-116.521 h1.52
  text "Pad" at 127.47,-116.521 h1.52
  text "Top Copper - Bottom Copper" at 168.606,-116.521 h1.52
  text "Round" at 187.244,-116.521 h1.52
  text "PTH" at 200.093,-116.521 h1.52
  text "33,86mil (0,860mm)" at 229.803,-116.521 h1.52
  text "2" at 246.308,-116.521 h1.52
  text "-" at -59.877,-120.331 h1.52
  text "-" at -31.438,-120.331 h1.52
  text "c240h170" at 93.544,-120.331 h1.52
  text "Rounded" at 112.488,-120.331 h1.52
  text "Pad" at 127.47,-120.331 h1.52
  text "Top Copper - Bottom Copper" at 168.606,-120.331 h1.52
  text "Round" at 187.244,-120.331 h1.52
  text "PTH" at 200.093,-120.331 h1.52
  text "66,93mil (1,700mm)" at 229.803,-120.331 h1.52
  text "2" at 246.308,-120.331 h1.52
  text "G" at 259.896,-120.585 h1.69
  text "-" at -59.877,-124.141 h1.52
  text "-" at -31.438,-124.141 h1.52
  text "c0hn200" at 93.544,-124.141 h1.52
  text "Rounded" at 112.488,-124.141 h1.52
  text "Pad" at 127.47,-124.141 h1.52
  text "Top Copper - Bottom Copper" at 168.606,-124.141 h1.52
  text "Round" at 187.244,-124.141 h1.52
  text "NPTH" at 200.093,-124.141 h1.52
  text "78,74mil (2,000mm)" at 229.803,-124.141 h1.52
  text "2" at 246.308,-124.141 h1.52
  text "-" at -59.877,-127.951 h1.52
  text "-" at -31.438,-127.951 h1.52
  text "c152h260" at 93.544,-127.951 h1.52
  text "Rounded" at 112.488,-127.951 h1.52
  text "Pad" at 127.47,-127.951 h1.52
  text "Top Copper - Bottom Copper" at 168.606,-127.951 h1.52
  text "Round" at 187.244,-127.951 h1.52
  text "PTH" at 200.093,-127.951 h1.52
  text "102,36mil (2,600mm)" at 229.803,-127.951 h1.52
  text "2" at 246.308,-127.951 h1.52
  text "A" at 259.896,-128.205 h1.69
  text "-" at -59.877,-131.761 h1.52
  text "-" at -31.438,-131.761 h1.52
  text "c320h320" at 93.544,-131.761 h1.52
  text "Rounded" at 112.488,-131.761 h1.52
  text "Pad" at 127.47,-131.761 h1.52
  text "Top Copper - Bottom Copper" at 168.606,-131.761 h1.52
  text "Round" at 187.244,-131.761 h1.52
  text "PTH" at 200.093,-131.761 h1.52
  text "125,98mil (3,200mm)" at 229.803,-131.761 h1.52
  text "2" at 246.308,-131.761 h1.52
  text "41,34mil (1,050mm)" at -59.877,-135.571 h1.52
  text "66,93mil (1,700mm)" at -31.438,-135.571 h1.52
  text "r150_255h65_170r100" at 93.544,-135.571 h1.52
  text "Rounded" at 112.488,-135.571 h1.52
  text "Pad" at 127.47,-135.571 h1.52
  text "Top Copper - Bottom Copper" at 168.606,-135.571 h1.52
  text "Slot" at 187.244,-135.571 h1.52
  text "PTH" at 200.093,-135.571 h1.52
  text "25,59mil (0,650mm)" at 229.803,-135.571 h1.52
  text "4" at 246.308,-135.571 h1.52
  text "-" at -59.877,-139.381 h1.52
  text "-" at -31.438,-139.381 h1.52
  text "(Mixed)" at 93.544,-139.381 h1.52
  text "Rounded" at 112.488,-139.381 h1.52
  text "Pad" at 127.47,-139.381 h1.52
  text "Top Copper - Bottom Copper" at 168.606,-139.381 h1.52
  text "Round" at 187.244,-139.381 h1.52
  text "PTH" at 200.093,-139.381 h1.52
  text "31,50mil (0,800mm)" at 229.803,-139.381 h1.52
  text "4" at 246.308,-139.381 h1.52
  text "-" at -59.877,-143.191 h1.52
  text "-" at -31.438,-143.191 h1.52
  text "c175h102" at 93.544,-143.191 h1.52
  text "Rounded" at 112.488,-143.191 h1.52
  text "Pad" at 127.47,-143.191 h1.52
  text "Top Copper - Bottom Copper" at 168.606,-143.191 h1.52
  text "Round" at 187.244,-143.191 h1.52
  text "PTH" at 200.093,-143.191 h1.52
  text "40,16mil (1,020mm)" at 229.803,-143.191 h1.52
  text "4" at 246.308,-143.191 h1.52
  text "-" at -59.877,-147.001 h1.52
  text "-" at -31.438,-147.001 h1.52
  text "r330_290h230r100o-48_0" at 93.544,-147.001 h1.52
  text "Rounded" at 112.488,-147.001 h1.52
  text "Pad" at 127.47,-147.001 h1.52
  text "Top Copper - Bottom Copper" at 168.606,-147.001 h1.52
  text "Round" at 187.244,-147.001 h1.52
  text "PTH" at 200.093,-147.001 h1.52
  text "90,55mil (2,300mm)" at 229.803,-147.001 h1.52
  text "4" at 246.308,-147.001 h1.52
  text "-" at -59.877,-150.811 h1.52
  text "-" at -31.438,-150.811 h1.52
  text "c530h300z270m535" at 93.544,-150.811 h1.52
  text "Rounded" at 112.488,-150.811 h1.52
  text "Pad" at 127.47,-150.811 h1.52
  text "Top Copper - Bottom Copper" at 168.606,-150.811 h1.52
  text "Round" at 187.244,-150.811 h1.52
  text "PTH" at 200.093,-150.811 h1.52
  text "118,11mil (3,000mm)" at 229.803,-150.811 h1.52
  text "6" at 246.308,-150.811 h1.52
  text "-" at -59.877,-154.621 h1.52
  text "-" at -31.438,-154.621 h1.52
  text "c150h90" at 93.544,-154.621 h1.52
  text "Rounded" at 112.488,-154.621 h1.52
  text "Pad" at 127.47,-154.621 h1.52
  text "Top Copper - Bottom Copper" at 168.606,-154.621 h1.52
  text "Round" at 187.244,-154.621 h1.52
  text "PTH" at 200.093,-154.621 h1.52
  text "35,43mil (0,900mm)" at 229.803,-154.621 h1.52
  text "14" at 246.308,-154.621 h1.52
  text "-" at -59.877,-158.431 h1.52
  text "-" at -31.438,-158.431 h1.52
  text "v51h25m56" at 93.544,-158.431 h1.52
  text "Rounded" at 112.488,-158.431 h1.52
  text "Via" at 127.47,-158.431 h1.52
  text "Top Copper - Bottom Copper" at 168.606,-158.431 h1.52
  text "Round" at 187.244,-158.431 h1.52
  text "PTH" at 200.093,-158.431 h1.52
  text "10,00mil (0,254mm)" at 229.803,-158.431 h1.52
  text "24" at 246.308,-158.431 h1.52
  text "-" at -59.877,-162.241 h1.52
  text "-" at -31.438,-162.241 h1.52
  text "v50h20" at 93.544,-162.241 h1.52
  text "Rounded" at 112.488,-162.241 h1.52
  text "Via" at 127.47,-162.241 h1.52
  text "Top Copper - Bottom Copper" at 168.606,-162.241 h1.52
  text "Round" at 187.244,-162.241 h1.52
  text "PTH" at 200.093,-162.241 h1.52
  text "7,87mil (0,200mm)" at 229.803,-162.241 h1.52
  text "25" at 246.308,-162.241 h1.52
  text "-" at -59.877,-166.051 h1.52
  text "-" at -31.438,-166.051 h1.52
  text "(Mixed)" at 93.544,-166.051 h1.52
  text "(Mixed)" at 112.488,-166.051 h1.52
  text "Pad" at 127.47,-166.051 h1.52
  text "Top Copper - Bottom Copper" at 168.606,-166.051 h1.52
  text "Round" at 187.244,-166.051 h1.52
  text "PTH" at 200.093,-166.051 h1.52
  text "27,56mil (0,700mm)" at 229.803,-166.051 h1.52
  text "33" at 246.308,-166.051 h1.52
  text "D" at 259.896,-166.305 h1.69
  text "-" at -59.877,-169.861 h1.52
  text "-" at -31.438,-169.861 h1.52
  text "(Mixed)" at 93.544,-169.861 h1.52
  text "Rounded" at 112.488,-169.861 h1.52
  text "(Mixed)" at 127.47,-169.861 h1.52
  text "Top Copper - Bottom Copper" at 168.606,-169.861 h1.52
  text "Round" at 187.244,-169.861 h1.52
  text "PTH" at 200.093,-169.861 h1.52
  text "8,00mil (0,203mm)" at 229.803,-169.861 h1.52
  text "875" at 246.308,-169.861 h1.52
  text "1009 Total" at 246.308,-173.671 h1.52
  text "= Calculated from tool start centre position to tool end centre position." at 204.919,-177.354 h1.52
  text "Routed Path Length" at 232.927,-177.354 h1.52
  text "Slot definitions :" at 259.157,-177.354 h1.52
  text "= Routed Path Length + Tool Size = Slot length as defined in the PCB layout" at 215.33,-179.893 h1.52
  text "Hole Length" at 232.927,-179.893 h1.52
Bottom Component Outline:
  lines w0.1: 0.46,2.646 0.46,43.643 ; 2.466,45.643 ccw(c2.466,43.643) 0.466,43.643 cw(c2.466,43.643) 2.466,45.643 ; 2.466,45.643 28.461,45.643 ; 2.466,45.643 28.461,45.643 ; 28.461,45.643 cw(c28.461,43.643) 30.461,43.643 30.46,2.65 ; 30.46,2.65 cw(c28.46,2.65) 28.46,0.65 ccw(c28.46,2.65) 30.46,2.65 ; 0.458,2.646 ccw(c2.458,2.646) 2.458,0.646 cw(c2.458,2.646) 0.458,2.646 ; 2.458,0.643 28.46,0.643 2.458,0.643

## Dimensions
0,3 to 36.412,39.288 on Dimensions
3,0 to 36.412,39.288 on Dimensions
3,0 to 35.48,2.33 on Dimensions
0,3 to 35.48,2.33 on Dimensions
1.504,28.578 to 3,0 on Dimensions
113.202,8.923 to 112,0 on Dimensions
110.531,6.008 to 112,0 on Dimensions
110.531,39.008 to 112,0 on Dimensions
3,46 to 3,0 on Dimensions
115,43 to 0,43 on Dimensions
0,3 to 62.531,6.008 on Dimensions
27.56,13.77 to 3,0 on Dimensions
3.36,37.97 to 3,0 on Dimensions
0,3 to 110.531,6.008 on Dimensions
0,3 to 3.36,37.97 on Dimensions

## Text inside footprints (layer, text, board x,y; h text height)
J14: Top Overlay "9" at 74.275,17.142 h1; Top Overlay "1" at 67.138,17.113 h1
J22: Assembly Notes (Mech10) "Top contact ffc" at 27.986,43.098 h1 r180; Top Overlay "10" at 22.536,38.498 h1 r180; Top Overlay "1" at 28.367,38.498 h1 r180
SW1: Top Overlay "ON" at 8.087,43.08 h1 r270